# Altium PCB Mach dieu khien dong co dc.PcbDoc
Units mm, origin at the board's own origin, x right, y up, seen from the top; angles counter-clockwise.
Board outline 120.32 x 93.55 mm, 2 copper layers (Top Layer, Bottom Layer); 69 components, 51 nets, 218 pads, 6 vias.
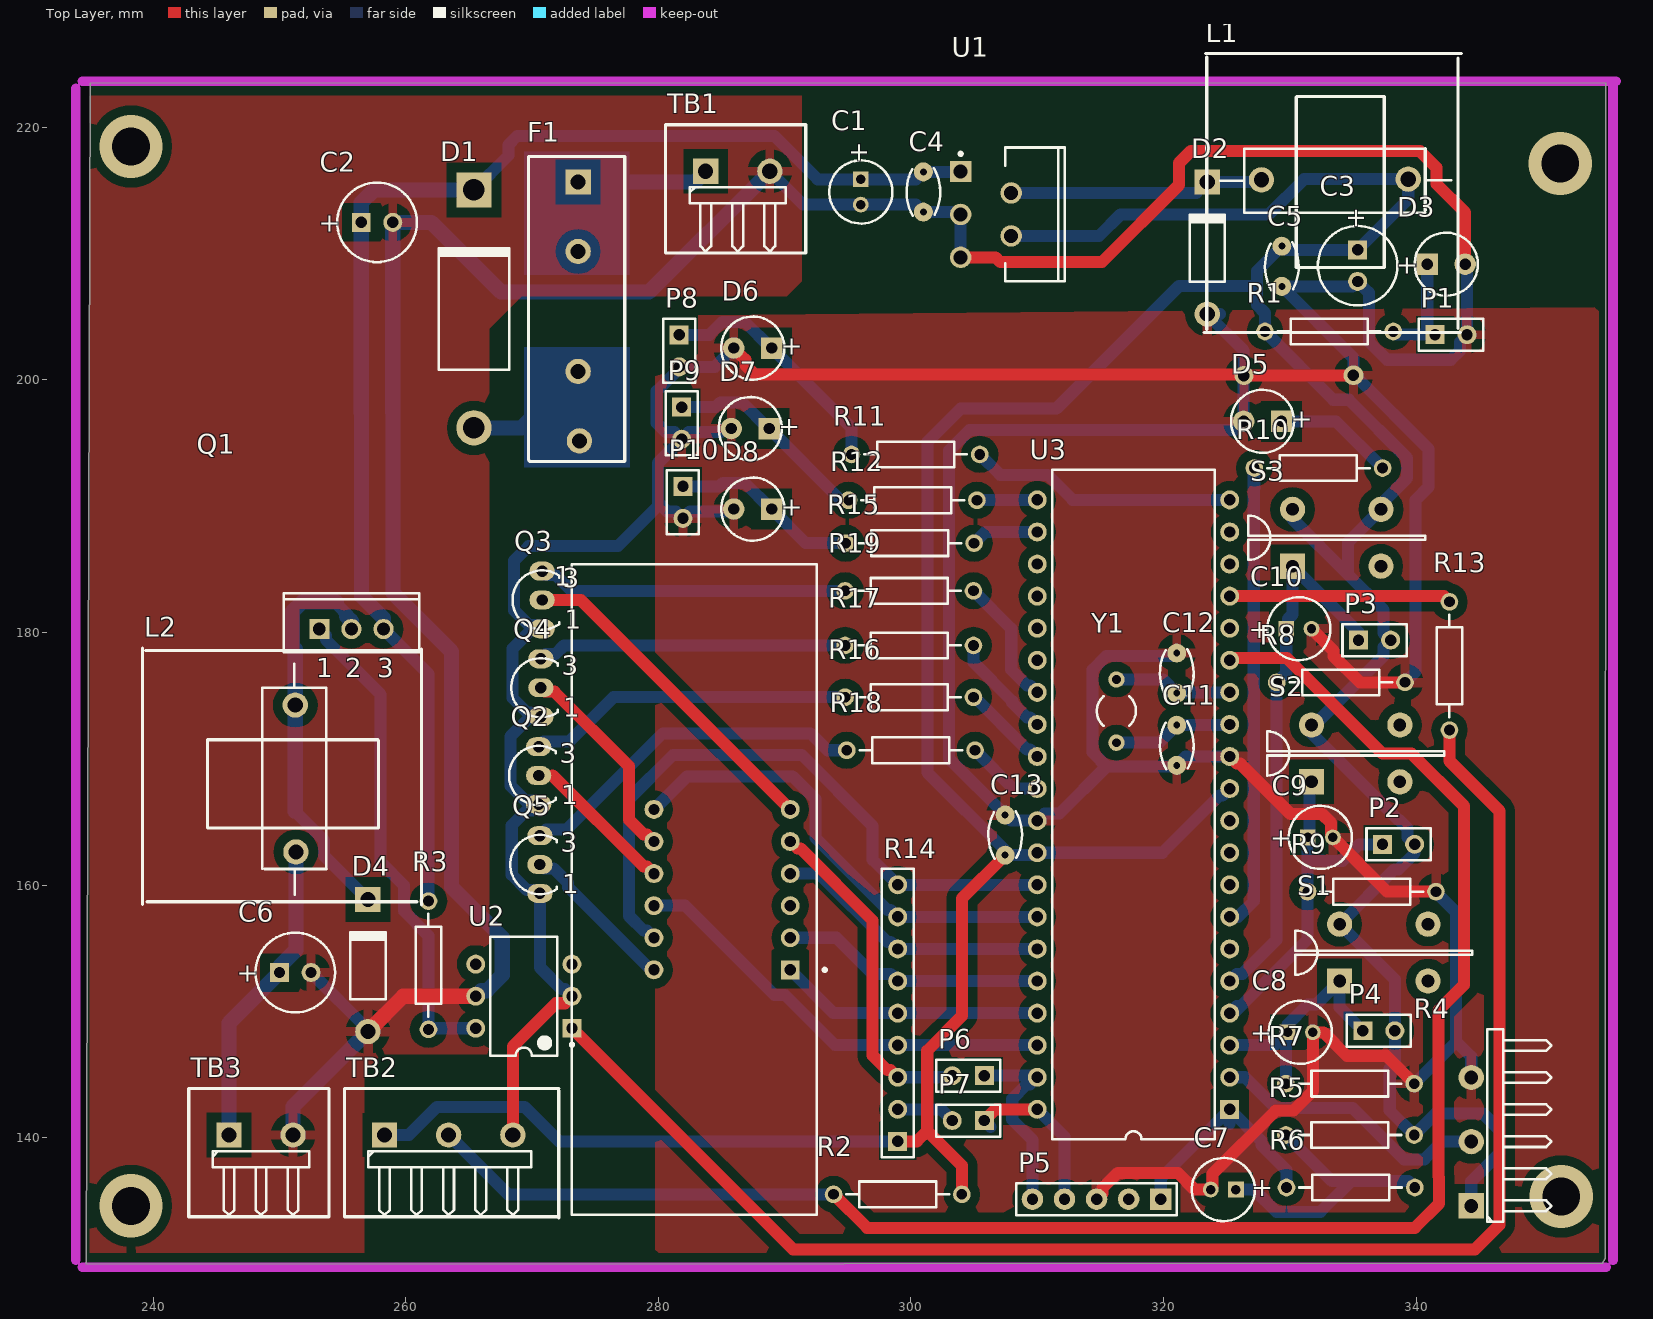
[diagram p0: Top Layer view]
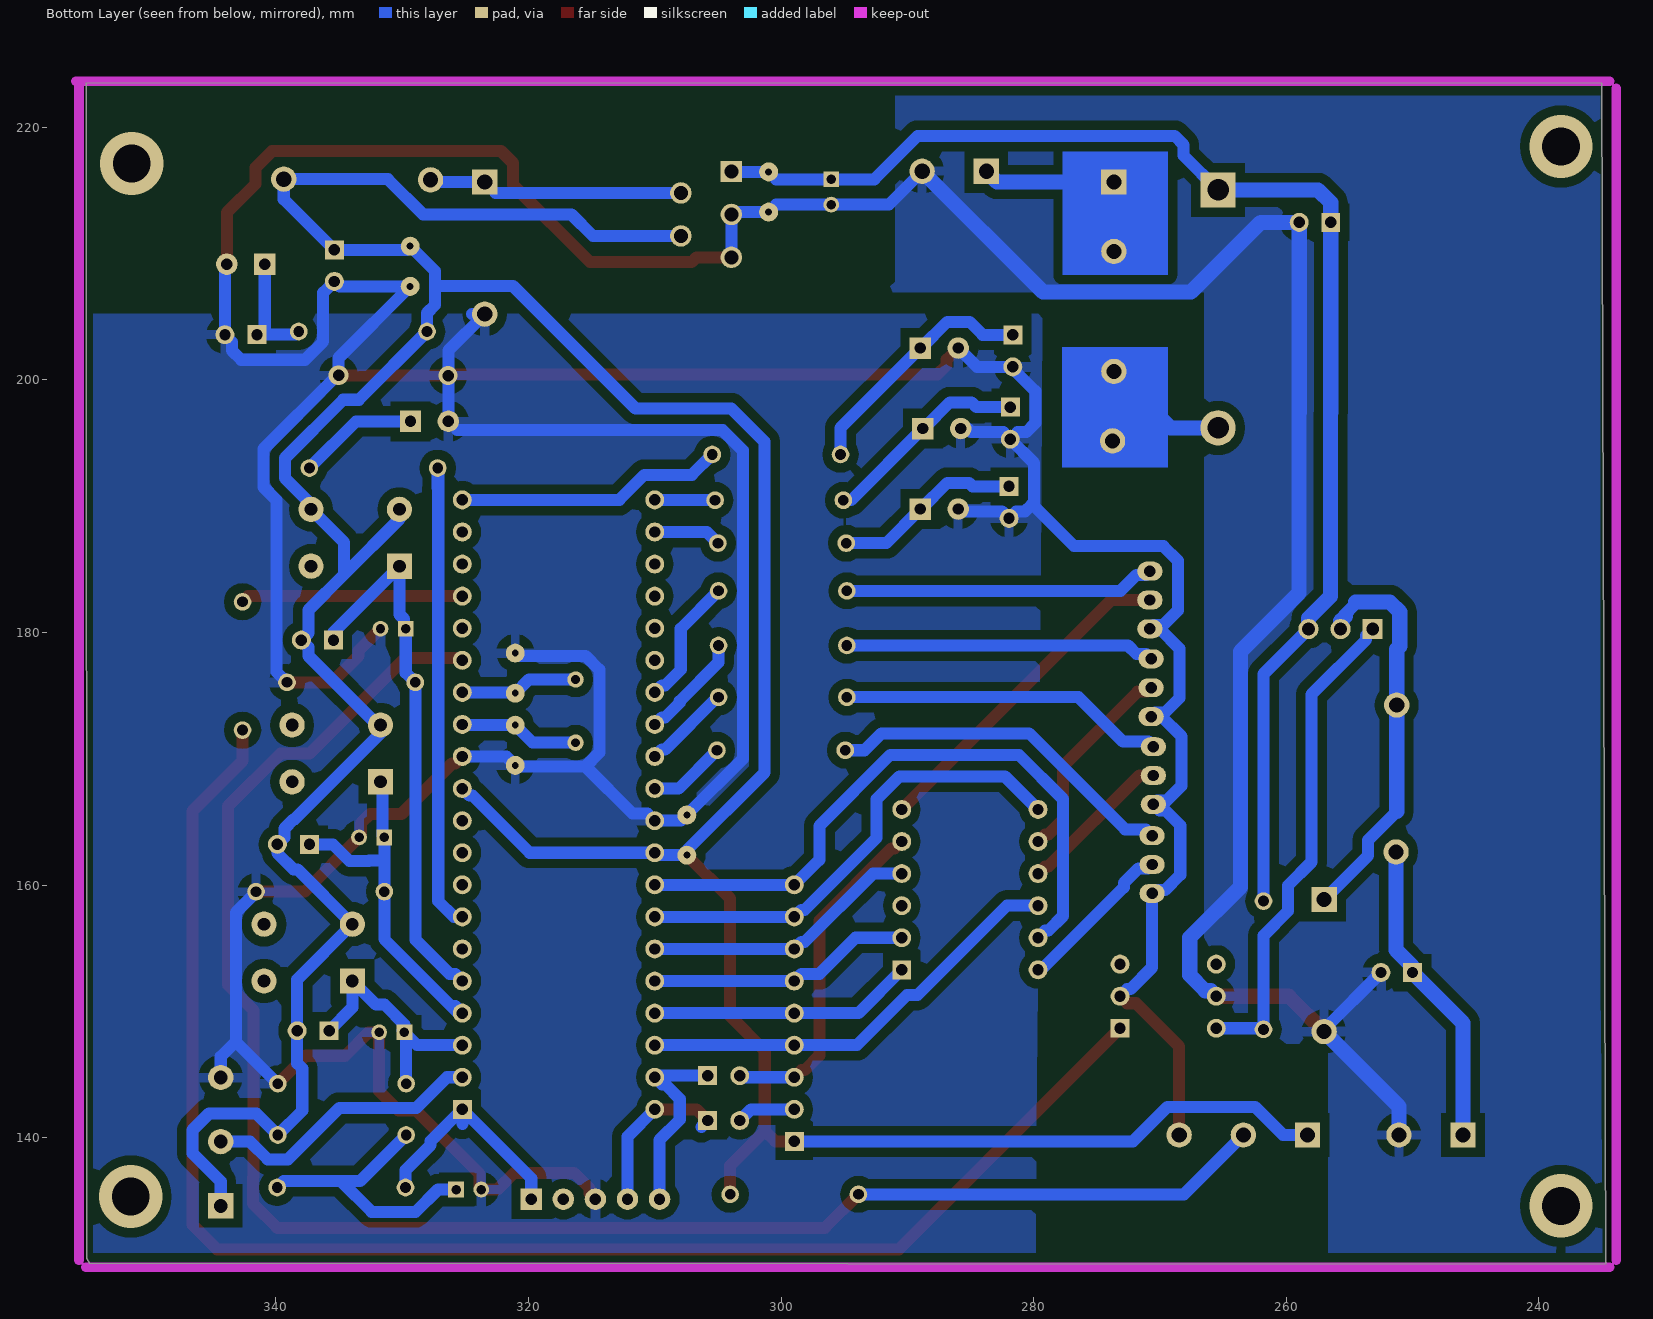
[diagram p1: Bottom Layer view, seen from below]

## Layer stack, top to bottom
Top Layer: signal copper 0.0356
Dielectric: dielectric 0.32, FR-4, Dk 4.8
Bottom Layer: signal copper 0.0356

## Board outline
235.025,223.475 234.7,129.975 354.75,130.05 354.975,130.425 355.025,223.525

## Design rules (kind name [scope] priority, off if disabled: settings)
Clearance [All] p1: gap=0.754
DiffPairsRouting [All] p1: maxlimit=0.954 minlimit=0.74 mostfreqgap=0.854 maxuncoupledlength=12.7
PlaneConnect [All] p1: planeconnectstyle=Relief reliefexpansion=1 reliefentries=4 reliefconductorwidth=0.74 reliefairgap=0.254
PolygonConnect [All] p1: connectstyle=Relief reliefconductorwidth=0.74 reliefentries=4 polygonreliefangle="90 Angle"
RoutingVias [All] p1: holewidth=0.911 width=1.5 viastyle="Through Hole" minholewidth=0.911 minwidth=1.5 maxholewidth=0.911 maxwidth=1.5
SilkscreenOverComponentPads [All] p1: minsilkscreentomaskgap=0.254
SolderMaskExpansion [All] p1: expansion=0.102
Width [All] p1: maxlimit=1.2 minlimit=0.754 preferedwidth=1.2
25 further rules are at their usual default settings.

## Components (designator, comment, footprint, x,y, rotation, side; value= is the part's Value field where it differs from the comment)
1 "7seg 4digit" LEDDIP-12/QUAD 282.829,159.639 r90 top
C1 "Cap Pol1" CAPPR2-5x7 296.037,214.884 r270 top
C2 "Cap Pol1" CAPPR2.5-6.3x5/H.9 257.725,212.475 r0 top
C3 "Cap Pol1" CAPPR2.5-6.3x5/H.9 335.375,209.05 r270 top
C4 "Cap" CAPNTO3.18-4.83x2.67 300.99,214.884 r90 top
C5 "Cap" CAPNTO3.18-4.83x2.67 329.375,209 r90 top
C6 "Cap Pol1" CAPPR2.5-6.3x5/H.9 251.25,153.075 r0 top
C7 "Cap Pol1" CAPPR2-5x7 324.739,135.89 r180 top
C8 "Cap Pol1" CAPPR2-5x7 330.835,148.336 r0 top
C9 "Cap Pol1" CAPPR2-5x7 332.425,163.775 r0 top
C10 "Cap Pol1" CAPPR2-5x7 330.725,180.3 r0 top
C11 "Cap" CAPNTO3.18-4.83x2.67 321.056,171.069 r90 top
C12 "Cap" CAPNTO3.18-4.83x2.67 321.056,176.784 r270 top
C13 "Cap" CAPNTO3.18-4.83x2.67 307.467,163.957 r270 top
D1 "Diode Schotky" DO-201AD 265.4,205.625 r90 top
D2 "Diode Schotky" DO-41 323.469,210.439 r90 top
D3 "LED 5mm Blue" "LED 5mm Blue" 342.392,209.169 r0 top
D4 "Diode Schotky" DO-41 257,153.625 r90 top
D5 "LED 5mm Blue" "LED 5mm Blue" 327.85,196.725 r180 top
D6 "LED 5mm Blue" "LED 5mm Blue" 287.475,202.525 r180 top
D7 "LED 5mm Blue" "LED 5mm Blue" 287.275,196.15 r180 top
D8 "LED 5mm Blue" "LED 5mm Blue" 287.475,189.775 r180 top
F1 "Fuse Thermal" "PIN-W2/E2.8 -Manh" 273.65,209.675 r270 top
L1 "Inductor Iron" "Inductor power" 334.01,215.773 r0 top
L2 "Inductor Iron" "Inductor power" 251.175,168 r270 top
P1 "Header 2" HDR1X2 341.503,203.581 r0 top
P2 "Header 2" HDR1X2 337.35,163.225 r0 top
P3 "Header 2" HDR1X2 335.45,179.4 r0 top
P4 "Header 2" HDR1X2 335.788,148.463 r0 top
P5 "Header 5" HDR1X5 319.786,135.128 r180 top
P6 "Header 2" HDR1X2 305.816,144.907 r180 top
P7 "Header 2" HDR1X2 305.816,141.351 r180 top
P8 "Header 2" HDR1X2 281.65,203.575 r270 top
P9 "Header 2" HDR1X2 281.85,197.85 r270 top
P10 "Header 2" HDR1X2 281.95,191.575 r270 top
Q1 "MOSFET-P" "TO 220" 255.7,180.275 r0 top
Q2 "C828" TO-92-manh 270.525,168.675 r0 top
Q3 "C828" TO-92-manh 270.8,182.575 r0 top
Q4 "C828" TO-92-manh 270.7,175.625 r0 top
Q5 "C828" TO-92-manh 270.625,161.625 r0 top
R1 "Res2" AXIAL-0.4 333.121,203.835 r0 top
R2 "Res2" AXIAL-0.4 298.958,135.509 r180 top
R3 "Res2" AXIAL-0.4 261.8,153.65 r90 top
R4 "RPot" "Variable Resistor" 344.375,134.6 r90 top
R5 "Res2" AXIAL-0.4 334.772,140.208 r180 top
R6 "Res2" AXIAL-0.4 334.825,136.05 r180 top
R7 "Res2" AXIAL-0.4 334.772,144.272 r180 top
R8 "Res2" AXIAL-0.4 334.05,176.05 r180 top
R9 "Res2" AXIAL-0.4 336.5,159.475 r180 top
R10 "Res2" AXIAL-0.4 332.275,193.025 r0 top
R11 "Res2" AXIAL-0.4 300.375,194.1 r0 top
R12 "Res2" AXIAL-0.4 300.15,190.475 r0 top
R13 "Res2" AXIAL-0.4 342.65,177.35 r90 top
R14 "Res 330" "Res array 8" 298.958,139.7 r90 top
R15 "Res2" AXIAL-0.4 299.925,187.075 r0 top
R16 "Res2" AXIAL-0.4 299.875,174.875 r180 top
R17 "Res2" AXIAL-0.4 299.875,178.975 r180 top
R18 "Res2" AXIAL-0.4 300,170.675 r180 top
R19 "Res2" AXIAL-0.4 299.875,183.3 r180 top
S1 "SW-PB" "Button DIP4" 333.95,152.4 r90 top
S2 "SW-PB" "Button DIP4" 331.725,168.175 r90 top
S3 "SW-PB" "Button DIP4" 330.225,185.25 r90 top
TB1 "Terminal Block 2pin" "Screw Terminal Block 2pin 5mm" 283.75,216.525 r0 top
TB2 "Terminal Block" "Screw Terminal Block 3pin 5mm" 258.318,140.208 r0 top
TB3 "Terminal Block 2pin" "Screw Terminal Block 2pin 5mm" 245.999,140.208 r0 top
U1 "LM2596T-5.0/NOPB" T05D 305.943,213.106 r270 top
U2 "Opto" "DIP-6 -v2" 269.35,151.2 r180 top
U3 "PIC16F877A-E/P" PDIP600-40 317.627,166.37 r90 top
Y1 "XTAL" R38 316.275,173.775 r180 top

## Footprints (in the part's own frame and the unit in brackets; to place one, negate y for a bottom-side part, rotate by r counter-clockwise, add the part's x,y. Pads: shape width x height; smd on the part's side, far side on the other; paste and mask are expansions set on the pad)
AXIAL-0.4 [mm] "Axial Device, Thru-Hole; 2 Leads; 0.4 in Pin Spacing"
  round 1.4 hole 0.85: 1(-5.08,0) 2(5.08,0)
  silkscreen extent -4.06,-1.02 4.06,1.02, body extent -6.77,-2.22 6.68,1.53, height 4.38
"Button DIP4" [mm]
  rect 2x2 hole 1: 1(0,0)
  round 2 hole 1: 2(4.5,0) 3(4.5,-7) 4(0,-7)
  silkscreen extent 0.5,-10.5 4,3.5, body extent -1.96,-5.75 6.01,0.25, height 4.9
CAPNTO3.18-4.83x2.67 [mm] "Capacitor, Radial, Tantalum, Non-Polarised; Body 4.83 x 2.67 x 5.97 mm (WxTxH max); Pin Spacing 3.18 mm (typ)"
  round 1.5 hole 0.55: 1(-1.59,0) 2(1.59,0)
  silkscreen extent -1.89,-1.34 1.89,1.34, body extent -2.46,-1 2.46,1, height 2
CAPPR2-5x7 [mm] "Capacitor, Electrolytic, Radial; Body 5 x 7 mm (Dia.xH typ); Pin Spacing 2 mm (typ)"
  rect 1.25x1.25 hole 0.75: 1(-1,0)
  round 1.25 hole 0.75: 2(1,0)
  silkscreen extent -2.5,-2.5 2.5,2.5, body extent -2.59,-2.54 2.49,2.54, height 13.7
CAPPR2.5-6.3x5/H.9 [mm] "Capacitor, Electrolytic, Radial; Body 6.3 x 5 mm (Dia.xH typ); Pin Spacing 2.5 mm (typ)"
  rect 1.5x1.5 hole 0.9: 1(-1.25,0)
  round 1.5 hole 0.9: 2(1.25,0)
  silkscreen extent -3.15,-3.15 3.15,3.15, body extent -2.59,-2.59 2.49,2.49, height 13.7
"DIP-6 -v2" [mm] "DIP; 6 Leads; Row Spacing 7.62 mm; Pitch 2.54 mm"
  rect 1.5x1.5 hole 0.9: 1(-3.81,2.54)
  round 1.5 hole 0.9: 2(-3.81,0) 3(3.81,0) 4(3.81,2.54) 5(-3.81,-2.54) 6(3.81,-2.54)
  silkscreen extent -3.94,-4.7 2.65,4.7, body extent -3.55,-4.7 3.55,4.7, height 5.46
DO-41 [mm] "Diode, Axial; Body 5.2 x 2.7 mm (LxDia. max), Lead Dia. 0.86 mm (max)"
  rect 2x2 hole 1.2: 1(5.23,0)
  round 2 hole 1.2: 2(-5.23,0)
  silkscreen extent -2.65,-1.4 2.75,1.4, body extent -5.38,-1.6 5.48,1.12, height 4.36
DO-201AD [mm] "Diode, Axial; Body 9.5 x 5.6 mm (LxDia. max), Lead Dia. 1.32 mm (max)"
  rect 2.8x2.8 hole 1.7: 1(9.42,0)
  round 2.8 hole 1.7: 2(-9.42,0)
  silkscreen extent -4.8,-2.8 4.9,2.8, body extent -8.13,-2.9 8.43,2.7, height 7.6
HDR1X2 [mm] "Connector; Header; 2 Position"
  rect 1.5x1.5 hole 0.9: 1(0,0)
  round 1.5 hole 0.9: 2(2.54,0)
  silkscreen extent -1.27,-1.27 3.81,1.27, body extent -1.19,-1.38 3.89,1.16, height 10.29
HDR1X5 [mm] "Connector; Header; 5 Position"
  rect 1.7x1.7 hole 0.9: 1(0,0)
  round 1.7 hole 0.9: 2(2.54,0) 3(5.08,0) 4(7.62,0) 5(10.16,0)
  silkscreen extent -1.27,-1.27 11.43,1.27
"Inductor power" [mm] "Axial Device, Thru-Hole; 2 Leads; 0.9 in Pin Spacing"
  round 2 hole 1.2: 1(-6.25,0.075) 2(5.375,0.125)
  silkscreen extent -10.78,-12.03 9.57,10.08, body extent -5.03,-9.35 4.97,9.15, height 19.25
"LED 5mm Blue" [mm] "Capacitor, Electrolytic, Radial; Body 5 x 7 mm (Dia.xH typ); Pin Spacing 2 mm (typ)"
  rect 1.7x1.7 hole 0.9: 1(-1.5,0)
  round 1.7 hole 0.9: 2(1.5,0)
  silkscreen extent -2.5,-2.5 2.5,2.5, body extent -2.71,-3.01 2.71,3.01, height 2.49
LEDDIP-12/QUAD [mm] "LED, 7-Segment Display, 14.22 mm, Four Digit, 88:88; 12 Leads; Row Space 15.24 mm; Pitch 2.54 mm"
  rect 1.5x1.5 hole 0.9: 1(-6.35,-7.62)
  round 1.5 hole 0.9: 2(-3.81,-7.62) 3(-1.27,-7.62) 4(1.27,-7.62) 5(3.81,-7.62) 6(6.35,-7.62) 7(6.35,3.175) 8(3.81,3.175) 9(1.27,3.175) 10(-1.27,3.175) 11(-3.81,3.175) 12(-6.35,3.175)
  silkscreen extent -25.75,-10.48 25.75,9.7
PDIP600-40 [mm] "DIP, Plastic; 40 Leads; Row Spacing 15.24 mm; Pitch 2.54 mm"
  rect 1.5x1.5 hole 0.9: 1(-24.13,-7.62)
  round 1.5 hole 0.9: 2(-21.59,-7.62) 3(-19.05,-7.62) 4(-16.51,-7.62) 5(-13.97,-7.62) 6(-11.43,-7.62) 7(-8.89,-7.62) 8(-6.35,-7.62) 9(-3.81,-7.62) 10(-1.27,-7.62) 11(1.27,-7.62) 12(3.81,-7.62) 13(6.35,-7.62) 14(8.89,-7.62) 15(11.43,-7.62) 16(13.97,-7.62) 17(16.51,-7.62) 18(19.05,-7.62) 19(21.59,-7.62) 20(24.13,-7.62) 21(24.13,7.62) 22(21.59,7.62) 23(19.05,7.62) 24(16.51,7.62) 25(13.97,7.62) 26(11.43,7.62) 27(8.89,7.62) 28(6.35,7.62) 29(3.81,7.62) 30(1.27,7.62) 31(-1.27,7.62) 32(-3.81,7.62) 33(-6.35,7.62) 34(-8.89,7.62) 35(-11.43,7.62) 36(-13.97,7.62) 37(-16.51,7.62) 38(-19.05,7.62) 39(-21.59,7.62) 40(-24.13,7.62)
  silkscreen extent -26.5,-6.45 26.5,6.45, body extent -26.22,-7.85 26.38,7.65, height 5.99
"PIN-W2/E2.8 -Manh" [mm]
  rect 2x2 hole 1.2: 1(-6,0)
  round 2 hole 1.2: 2(9,0) 3(-0.5,0) 4(14.5,0.1)
  Bottom Layer region: -8.425,-4.3 1.35,-4.3 1.35,4.05 -8.425,4.05
  Bottom Layer region: 7.075,-4.275 16.625,-4.275 16.625,4.1 7.075,4.1
  silkscreen extent -8.03,-3.93 16.12,3.7, body extent -6.66,-3.72 15.48,3.22, height 12.67
R38 [mm] "Crystal, Thru-Hole; 2 Leads; Body 3.1 x 8.2 mm (Dia.xH)"
  round 1.3 hole 0.7: 1(0,2.5) 2(0,-2.5)
  silkscreen extent -1.55,-1.19 1.55,1.17, body extent -2.4,-5.43 2.25,5.92, height 5.1
"Res array 8" [mm] "Connector; Header; 9 Position"
  rect 1.5x1.5 hole 0.9: 1(0,0)
  round 1.5 hole 0.9: 2(2.54,0) 3(5.08,0) 4(7.62,0) 5(10.16,0) 6(12.7,0) 7(15.24,0) 8(17.78,0) 9(20.32,0)
  silkscreen extent -1.27,-1.27 21.59,1.27, body extent -1.2,-1.23 21.61,1.27, height 6.43
"Screw Terminal Block 2pin 5mm" [mm] "Connector; Header; 10 Position; Right Angle"
  rect 2x2 hole 1.2: 1(0,0)
  round 2 hole 1.2: 2(5.08,0)
  silkscreen extent -3.17,-6.48 7.93,3.68, body extent -2.4,-6.1 7.6,2.9, height 15.7
"Screw Terminal Block 3pin 5mm" [mm] "Connector; Header; 10 Position; Right Angle"
  rect 2x2 hole 1.2: 1(0,0)
  round 2 hole 1.2: 2(5.08,0) 3(10.16,0)
  silkscreen extent -3.17,-6.55 13.8,3.68, body extent -1.95,-6.07 13.05,2.92, height 2.5
T05D [mm] "TO, Thru-Hole, Vertical, Heatsink Mounted; 5 Bent Staggered Leads; Body 10.3x8.6x4.6mm, Pitch 1.7 mm"
  rect 1.7x1.7 hole 1.1: 1(-3.4,-2)
  round 1.7 hole 1.1: 2(-1.7,2) 3(0,-2) 4(1.7,2) 5(3.4,-2)
  silkscreen extent -5.3,-2.12 5.3,6.23, body extent -11.7,-2.31 11.8,14.75, height 21.1
"TO 220" [mm] "TO, Thru-Hole, Vertical, Heatsink Mounted; 3 In-Line Leads; Pitch 2.54 mm"
  rect 1.6x1.6 hole 1: 1(-2.54,0)
  round 1.6 hole 1: 2(0,0) 3(2.54,0)
  silkscreen extent -5.35,-1.85 5.35,2.85, body extent -12.5,-1.9 11,13.1, height 21
TO-92-manh [mm] "TO, Flat Index; 3 In-Line, Axial Leads; Body Dia. 4.6mm; Leads 0.41 x 0.39 mm (max)"
  oval 2x1.5 hole 0.9: 1(0,-2.286) 2(0,0) 3(0,2.286)
  silkscreen extent -2.34,-2.34 1.35,2.34, body extent -2.36,-2.54 1.84,2.69, height 10
"Variable Resistor" [mm]
  rect 2x2 hole 1.1: 1(0,0)
  round 2 hole 1.1: 2(5.08,0) 3(10.16,0)
  silkscreen extent -1.27,-6.35 13.97,-1.27, body extent -2.79,-20.73 12.95,4.83, height 22.62

## Part data
1: "Header, 6-Pin, Dual row"
C1 C2 C3 C6 C7 C8 C9 C10: "Polarized Capacitor (Radial)"
C4 C5 C11 C12 C13: "Capacitor"
D1 D2 D4: "Schottky Rectifier"
D3 D5 D6 D7 D8: "Typical INFRARED GaAs LED"
F1: "Thermal Fuse"
L1 L2: "Magnetic-Core Inductor"
P1 P2 P3 P4 P6 P7 P8 P9 P10: "Header, 2-Pin"
P5: "Header, 5-Pin"
Q1: "P-Channel MOSFET"
Q2 Q3 Q4 Q5: "NPN General Purpose Amplifier"
R1 R2 R3 R5 R6 R7 R8 R9 R10 R11 R12 R13 R15 R16 R17 R18 R19: "Resistor"
R4: "Potentiometer"
R14: library part "Res array 8", "Header, 9-Pin"
S1 S2 S3: "Switch"
TB2: library part "Terminal Block 3pin", "Terminal Block 3pin"
U1: "SIMPLE SWITCHER® Power Converter 150 KHz 3A Step-Down Voltage Regulator, 5-pin TO-220, Pb-Free"
U2: library part "Opto 1"
U3: "Enhanced FLASH Microcontroller, 8K (x14-Bit words) FLASH, 368 Bytes RAM, 40-Pin PDIP, Standard VDD Range, Extended Temperature"
Y1: "Crystal Oscillator"

## Via types
v1: diameter 5, hole 3, Top Layer to Bottom Layer, 4 vias
v2: diameter 1.57, hole 0.911, Top Layer to Bottom Layer, 1 vias
v3: diameter 1.5, hole 0.91, Top Layer to Bottom Layer, 1 vias

## Nets (pads, with @x,y where several pads share a name; then routed paths per layer and width w, separated by ;. In a path a pad name is that pad's centre, name@x,y a point inside that pad or via, vN(x,y) a via of type N, cw(c..) or ccw(c..) an arc to the next point about the centre after c; other vN are vias at no path point)
COUNTER: R2.2 TB2.2 U3.15 | length 138.1
  Top Layer w0.954: R2.2 296.537,132.85 339.9,132.85 341.836,134.786 341.836,136.85 341.775,136.911 341.775,139.4 341.783,139.408 341.783,141.008 341.775,141.016 341.775,143.464 341.783,143.472 341.783,145.072 341.775,145.08 341.775,150.07 343.8,152.095 343.8,166.255 339.649,170.406 337.345,170.406 329.77,177.981 325.428,177.981 U3.15
  Bottom Layer w0.954: TB2.2 268.097,135.509 R2.2
GND: C1.2 C2.2 C3.2 C4.1 C5.1 C6.2 C7.2 C8.2 C9.2 C10.2 C11.1 C12.1 C13.1 D2.2 D3.2 D4.2 D5.2 D6.2 D7.2 D8.2 P1.2 P5.3 P8.2 P9.2 P10.2 Q2.1 Q3.1 Q4.1 Q5.1 R4.3 R7.1 R8.1 R9.1 TB1.2 TB2.3 TB3.2 U1.3 U1.5 U2.2 U2.3 U3.12 U3.31 | length 596.4
  Top Layer w0.954: TB2.3 268.478,147.219 271.9,150.641 272.601,150.641 U2.2 ; D6.2 286.894,201.606 286.894,201.165 287.615,200.444 v3@326.281,200.444 ; U1.5 306.7,209.706 307.081,209.325 315.125,209.325 321.238,215.438 321.238,217.179 322.188,218.129 340.309,218.129 341.616,216.822 341.616,215.534 343.892,213.258 D3.2 ; P5.3 315.165,135.587 315.165,135.99 316.384,137.209 321.146,137.209 322.465,135.89 C7.2 323.883,136.034 323.883,137.13 328.892,142.139 330.29,142.139 331.835,143.684 C8.2 332.674,148.336 334.528,146.482 337.642,146.482 R7.1 ; U3.12 325.806,169.621 326.068,169.621 330.058,165.631 332.56,165.631 333.281,164.91 C9.2@333.281,163.919 ; v3(326.375,200.35) v2@335.025,200.35 ; C10.2 333.469,178.556 333.469,178.14 335.559,176.05 R8.1 ; C9.2 337.725,159.475 R9.1
  Top Layer w1.2: D4.2 259.805,151.2 U2.3
  Bottom Layer w0.954: C6.2 D4.2@257,148.575 ; Q2.1@270.22,166.694 269.454,166.694 268.294,167.854 268.294,171.782 269.851,173.339 Q4.1 ; Q5.1@270.352,159.612 269.586,159.612 268.394,160.804 268.394,164.732 269.554,165.892 270.028,165.892 Q2.1 ; Q4.1@270.395,173.644 269.629,173.644 268.469,174.804 268.469,178.732 270.026,180.289 Q3.1 ; Q3.1@270.495,180.594 269.729,180.594 268.569,181.754 268.569,185.682 269.729,186.842 276.792,186.842 280.117,190.167 ; Q5.1 270.625,153.473 272.339,151.759 272.601,151.759 ; 281.291,195.869 280.59,195.869 279.869,196.59 279.869,199.11 281.65,200.891 P8.2 284.485,201.035 D6.2 ; D7.2 285.247,196.15 284.966,195.869 282.409,195.869 P9.2 279.969,193.429 279.969,190.315 280.117,190.167 ; D8.2 285.794,189.594 282.509,189.594 P10.2 281.391,189.594 280.69,189.594 280.117,190.167 ; TB1.2 291.471,213.884 C1.2 300.4,213.884 ; C4.1 U1.3@303.755,213.294 ; U1.5 U1.3 ; C13.1 307.467,165.557 303.024,170 303.024,194.4 304.655,196.031 325.656,196.031 ; C13.1@307.914,165.1 U3.31 ; 310.566,165.659 311.761,165.659 315.496,169.394 ; C11.1@320.971,169.394 315.496,169.394 ; C11.1 321.757,170.18 U3.12 ; C12.1 320.838,178.156 315.496,178.156 314.394,177.054 314.394,170.496 315.496,169.394 ; 324.482,205.209 D2.2 326.35,202.328 D5.2 ; v2@334.984,200.141 335.385,200.141 340.994,194.532 340.994,191.518 339.971,190.495 339.971,176.891 R8.1 ; C3.2@334.985,207.41 C5.1 335.05,201.735 v2(335.05,200.375) ; C3.2 336.27,206.905 336.27,203.035 337.705,201.6 342.763,201.6 343.484,202.321 343.484,203.022 ; R7.1 343.181,147.601 ; R9.1 341.58,159.425 343.181,157.824 343.181,147.601 ; P1.2 D3.2@344.043,209.018 ; R4.3 344.375,146.407 343.181,147.601
  Bottom Layer w1.2: TB3.2 251.079,142.474 D4.2 D4.2@257,148.575 ; 258.975,197.4 C2.2 262.025,212.475 267.529,206.971 279.276,206.971 TB1.2 ; 259,197.375 259,183.129 263.631,178.498 263.631,159.857 267.644,155.844 267.644,152.868 266.412,151.636 265.976,151.636 U2.3
Net1_1: 1.1 R14.5 U3.37 | length 21
  Bottom Layer w0.954: 1.1 293.878,149.86 R14.5 U3.37
Net1_2: 1.2 R14.6 U3.36 | length 21
  Bottom Layer w0.954: 1.2 294.107,155.829 296.977,152.959 298.399,152.959 R14.6 U3.36
Net1_4: 1.4 R14.7 U3.35 | length 22
  Bottom Layer w0.954: 1.4 292.727,160.909 298.137,155.499 298.399,155.499 R14.7 U3.35
Net1_5: 1.5 P6.2 R14.3 | length 26.1
  Top Layer w0.954: 291.008,162.89 291.27,162.89 296.977,157.183 296.977,146.499 298.137,145.339 298.399,145.339 R14.3
  Bottom Layer w0.954: R14.3 303.149,144.78 P6.2
Net1_6: 1.6 Q3.2 | length 26.5
  Top Layer w0.954: Q3.2 273.863,182.575 1.6
Net1_7: 1.7 R14.8 U3.34 | length 37.8
  Bottom Layer w0.954: 1.7 282.265,168.6 290.64,168.6 292.43,166.81 292.43,163.746 298.137,158.039 298.399,158.039 R14.8 U3.34
Net1_8: 1.8 Q4.2 | length 16.1
  Top Layer w0.954: Q4.2@271.005,175.32 271.771,175.32 277.673,169.418 277.673,165.168 278.833,164.008 279.095,164.008 1.8
Net1_9: 1.9 Q2.2 | length 11.2
  Top Layer w0.954: 271.626,168.675 278.833,161.468 279.095,161.468 1.9
Net1_10: 1.10 R14.4 U3.38 | length 34.9
  Bottom Layer w0.954: 1.10 282.128,158.369 289.189,151.308 290.015,151.308 294.003,147.32 R14.4 U3.38
Net1_11: 1.11 R14.9 U3.33 | length 50.8
  Bottom Layer w0.954: 279.095,156.388 278.833,156.388 277.673,157.548 277.673,166.81 281.171,170.308 291.347,170.308 296.973,164.682 296.973,162.005 R14.9 U3.33
Net1_12: 1.12 Q5.2 | length 12.4
  Bottom Layer w0.954: Q5.2 270.93,161.32 271.696,161.32 272.856,160.16 272.856,159.825 1.12@279.392,153.289
NetC6_1: C6.1 L2.2 TB3.1 | length 24.6
  Bottom Layer w1.2: TB3.1 245.999,149.074 C6.1 250,153.551 251.3,154.851 L2.2
NetC7_1: C7.1 R5.2 R6.1 | length 22.1
  Bottom Layer w0.954: C7.1 327.174,135.89 328.945,134.119 332.425,134.119 334.875,136.569 ; R5.2 333.331,136.569 334.875,136.569 ; 339.386,136.569 334.875,136.569
NetC8_1: C8.1 P4.1 R7.2 S1.1 U3.3 | length 19.2
  Bottom Layer w0.954: U3.3 328.819,147.32 329.692,148.193 R7.2 ; C8.1 C8.1@329.979,148.48 ; C8.1@329.835,148.961 331.4,150.526 332.076,150.526 S1.1 333.95,150.301 P4.1
NetC9_1: C9.1 P2.1 R9.2 S2.1 U3.4 | length 28.5
  Bottom Layer w0.954: 326.068,150.419 325.806,150.419 U3.4 325.566,149.86 331.42,155.714 R9.2 ; R9.2@331.425,159.48 331.425,161.95 ; C9.1 331.425,161.95 ; C9.1@331.569,163.919 331.569,168.019 S2.1 ; P2.1 335.5,163.225 334.194,161.919 332.656,161.919 332.625,161.95 331.425,161.95
NetC10_1: C10.1 P3.1 R8.2 S3.1 U3.5 | length 42.5
  Bottom Layer w0.954: U3.5 325.806,152.959 326.249,152.959 328.936,155.646 328.936,174.4 ; 328.97,174.434 R8.2 329.725,176.805 C10.1 329.869,180.444 329.869,181.069 330.225,181.425 S3.1 P3.1@335.45,180.025
NetC11_2: C11.2 U3.13 Y1.1 | length 9.6
  Bottom Layer w0.954: Y1.1 319.672,171.275 C11.2 325.186,172.659 U3.13
NetC12_2: C12.2 U3.14 Y1.2 | length 9.4
  Bottom Layer w0.954: Y1.2 319.975,176.275 C12.2 ; C12.2@321.122,175.26 U3.14
NetD1_2: D1.2 F1.2 | length 10.1
  Bottom Layer w1.2: D1.2 269.18,196.205 F1.2
NetD2_1: D2.1 L1.1 U1.2 | length 18.8
  Bottom Layer w0.954: U1.2 D2.1@322.606,214.806 ; D2.1 L1.1@327.581,215.669
NetD3_1: D3.1 P1.1 R1.2 | length 8.4
  Bottom Layer w0.954: R1.2 338.455,203.581 P1.1 ; P1.1@340.892,204.192 D3.1
NetD4_1: D4.1 L2.1 Q1.2 | length 43.7
  Bottom Layer w0.954: L2.1@251.129,174.371 251.129,178.791 251.129,181.585 251.85,182.306 254.47,182.306 255.472,181.304 255.472,181.13 255.472,180.503 Q1.2 ; 251.25,165.83 253.531,163.549 253.531,162.324 D4.1
  Bottom Layer w1.2: 251.25,165.83 L2.1 251.25,178.67 251.129,178.791 251.006,178.914 251.006,181.636 251.799,182.429 254.521,182.429 ; 255.314,181.288 255.472,181.13 255.7,180.902 Q1.2
NetD5_1: D5.1 R10.2 | length 9.5
  Bottom Layer w0.954: D5.1 333.655,196.725 R10.2
NetD6_1: D6.1 P8.1 R11.1 | length 19.7
  Bottom Layer w0.954: P8.1 284.038,203.575 285.069,204.606 286.837,204.606 288.918,202.525 D6.1 295.295,196.205 R11.1
NetD7_1: D7.1 P9.1 R12.1 | length 16.6
  Bottom Layer w0.954: P9.1 284.532,197.85 284.913,198.231 286.637,198.231 288.718,196.15 D7.1 294.45,190.475 R12.1
NetD8_1: D8.1 P10.1 R15.1 | length 15
  Bottom Layer w0.954: P10.1 284.832,191.575 285.113,191.856 286.837,191.856 288.918,189.775 D8.1 291.675,187.075 R15.1
NetF1_1: F1.1 TB1.1 | length 10.5
  Bottom Layer w1.2: F1.1 282.9,215.675 TB1.1
NetP5_1: P5.1 R6.2 U3.1 | length 18.6
  Bottom Layer w0.954: P5.1 319.786,136.779 U3.1 ; 325.247,141.097 U3.1 ; R6.2 329.745,137.424 327.761,139.408 327.761,139.726 U3.1
NetP7_2: P7.2 R14.2 | length 4.7
  Bottom Layer w0.954: R14.2 302.387,142.24 P7.2
NetQ1_1: Q1.1 R3.1 U2.4 | length 38.2
  Bottom Layer w0.954: Q1.1@253.669,179.766 253.669,179.434 258,175.103 258,161.825 259.869,159.956 259.869,157.93 261.8,155.999 R3.1 ; R3.1@261.89,148.66 U2.4
NetQ2_3: Q2.3 R16.2 | length 25.3
  Bottom Layer w0.954: Q2.3@270.922,171.358 272.931,171.358 276.448,174.875 R16.2
NetQ3_3: Q3.3 R19.2 | length 24.2
  Bottom Layer w0.954: Q3.3@271.105,184.556 271.871,184.556 273.127,183.3 R19.2
NetQ4_3: Q4.3 R17.2 | length 24
  Bottom Layer w0.954: Q4.3@271.097,178.308 271.871,178.308 272.538,178.975 R17.2
NetQ5_3: Q5.3 R18.2 | length 27.5
  Bottom Layer w0.954: Q5.3@271.122,164.408 272.756,164.408 280.364,172.016 292.055,172.016 293.396,170.675 R18.2
NetR4_2: R4.2 U3.2 | length 22.4
  Bottom Layer w0.954: U3.2 326.453,144.78 328.892,142.341 334.988,142.341 339.052,138.277 340.652,138.277 342.055,139.68 R4.2
NetR10_1: R10.1 U3.7 | length 38
  Bottom Layer w0.954: U3.7 325.908,157.48 327.153,158.725 R10.1@327.153,192.699 ; 327.195,191.457 R10.1
NetR11_2: R11.2 U3.20 | length 21.3
  Bottom Layer w0.954: R11.2 307.074,192.481 310.828,192.481 312.809,190.5 U3.20
NetR12_2: R12.2 U3.21 | length 4.8
  Bottom Layer w0.954: R12.2@305.255,190.5 U3.21
NetR13_2: R13.2 U3.17 | length 17
  Top Layer w0.954: U3.17 R13.2@342.2,182.88
NetR15_2: R15.2 U3.22 | length 5.4
  Bottom Layer w0.954: R15.2 305.89,187.96 U3.22
PGC: P5.5 P6.1 U3.39 | length 14.6
  Bottom Layer w0.954: P6.1 U3.39@309.88,144.907 ; 309.448,144.221 309.186,144.221 308.026,143.061 308.026,141.419 309.626,139.819 P5.5
PGD: P5.4 P7.1 U3.40 | length 13.3
  Top Layer w0.954: P7.1 306.705,142.24 U3.40
  Bottom Layer w0.954: P7.1 P7.1@306.318,140.849 ; U3.40 312.166,140.081 P5.4
PWM: R13.1 U2.1 | length 122.3
  Top Layer w0.954: U2.1 290.678,131.142 344.658,131.142 346.606,133.09 346.606,165.865 342.65,169.821 R13.1
RD4: R19.1 U3.27 | length 10.3
  Bottom Layer w0.954: R19.1 307.95,180.305 307.95,177.055 309.186,175.819 309.448,175.819 U3.27
RD5: R17.1 U3.28 | length 8.5
  Bottom Layer w0.954: R17.1 304.955,177.635 308.026,174.564 308.026,174.439 309.186,173.279 309.448,173.279 U3.28
RD6: R16.1 U3.29 | length 6.9
  Bottom Layer w0.954: R16.1@305.05,174.875 309.186,170.739 309.448,170.739 U3.29
RD7: R18.1 U3.30 | length 6.2
  Bottom Layer w0.954: R18.1 308.115,167.64 U3.30
VCC: C3.1 C5.2 C13.2 L1.2 P2.2 P3.2 P4.2 R1.1 R2.1 R4.1 R5.1 R14.1 S1.2 S2.2 S3.2 TB2.1 U1.4 U3.11 U3.32 | length 321
  Top Layer w0.954: R14.1 300.465,139.7 301.295,140.53 ; R2.1 304.038,137.787 301.295,140.53 ; C13.2 304.038,158.938 304.038,149.631 301.295,146.888 301.295,140.53
  Bottom Layer w0.954: TB2.1 260.243,140.208 262.474,142.439 269.402,142.439 272.141,139.7 R14.1 ; U1.4@307.945,211.404 U1.4 314.906,211.406 316.598,213.098 328.348,213.098 331.148,215.898 L1.2 339.385,214.31 C3.1 C5.2@329.665,210.3 ; U3.32@309.814,162.367 C13.2 307.467,162.745 301.316,168.896 301.316,195.107 303.948,197.739 311.537,197.739 321.238,207.44 327.134,207.44 ; U3.32 319.905,162.56 324.426,167.081 324.688,167.081 U3.11 ; C5.2 327.394,208.609 327.394,205.942 328.041,205.295 R1.1 333.443,198.433 334.678,198.433 339.286,193.825 339.286,192.225 337.225,190.164 337.225,189.75 334.608,187.133 334.608,184.608 ; S3.2 330.225,188.991 334.608,184.608 ; S2.2 331.725,172.02 338.539,165.206 338.61,165.206 339.331,164.485 339.331,163.784 ; S2.2@331.966,172.675 337.431,178.14 337.431,178.841 P3.2 337.431,179.959 337.431,181.785 334.608,184.608 ; P2.2 339.89,162.524 338.61,161.244 338.294,161.244 S1.2 338.328,152.522 P4.2 338.328,145.886 337.921,145.479 337.921,142.139 R5.1 ; R5.1@340.075,140.208 R5.1 ; R4.1 344.375,136.525 346.606,138.756 346.606,140.604 345.299,141.911 341.555,141.911 R5.1
VCC2: C1.1 C2.1 C4.2 D1.1 Q1.3 R3.2 U1.1 | length 108.4
  Bottom Layer w0.954: Q1.3 261.8,176.715 R3.2 ; D1.1 268.119,217.764 268.119,218.61 268.84,219.331 289.179,219.331 292.626,215.884 C1.1 300.4,215.884 ; C4.2 U1.1@303.911,216.474
  Bottom Layer w1.2: 256.475,197.4 C2.1 256.475,214.045 257.475,215.045 D1.1 ; 256.5,197.375 256.5,182.865 258.24,181.125 Q1.3
pads on no net: 1.3 F1.3 F1.4 P5.2 S1.3 S1.4 S2.3 S2.4 S3.3 S3.4 U2.5 U2.6 U3.6 U3.8 U3.9 U3.10 U3.16 U3.18 U3.19 U3.23 U3.24 U3.25 U3.26
copper on no net:
  other v1: 238.25,134.6 351.5,135.325 351.425,217.15 238.25,218.5

## Polygon pours and split planes (outlines as drawn)
GND on Bottom Layer "Top Layer-GND" (solid, pour order 9): 264.825,223.07 265.093,223.325 290.978,223.325 290.978,207.765 291.675,207.103 291.514,206.95 265.656,206.95
GND on Bottom Layer "Top Layer-GND" (solid, pour order 7): 235.102,150.066 256.64,150.066 256.758,150.145 256.659,150.079 256.659,130.477 235.951,130.477 234.975,129.825
GND on Bottom Layer "Top Layer-GND" (solid, pour order 5): 235.393,223.3 235.15,223.12 235.15,147.425 265.795,147.425 266.975,148.3 266.489,148.66 266.489,223.3
GND on Bottom Layer "Top Layer-GND" (solid, pour order 2): 279.3,205.225 355.045,205.225 355.197,205.375 355.35,205.225 355.35,130.175 280.139,130.175 279.859,129.9
GND on Top Layer "Top Layer-GND" (solid, pour order 13): 234.475,222.85 235.175,223.55 291.375,223.55 291.375,207.825 290.7,207.15 290.175,206.625 271.25,206.625 269.2,206.625 266.75,204.175 266.625,204.05 266.625,146.6 258.125,146.6 256.725,145.2 256.725,130.3 235.175,130.3 234.9,130.025
GND on Top Layer "Top Layer-GND" (solid, pour order 11): 279.775,205.1 279.775,131.125 280.225,130.675 280.7,130.2 355.35,130.2 355.35,204.85 354.425,205.775

## Keep-outs
Keep-Out Layer:
  lines w0.254: 233.85,130.275 234.4,129.725 ; 234.125,223.375 234.4,223.65 ; 355.05,129.725 355.6,130.275 ; 355.325,223.375 355.6,223.65
  lines w0.754: 233.85,130.275 233.85,223.1 ; 234.4,129.725 355.05,129.725 ; 234.4,223.65 355.875,223.65 ; 355.6,130.275 355.6,223.65

## Silkscreen, mask and mechanical layers (free items; w line width, h text height)
Bottom Solder:
  lines w0.254: 245.875,140.55 245.875,149.125 ; 251.2,174.5 251.2,181.75 251.725,182.275 254.525,182.275 ; 251.25,154.5 251.25,162.725 ; 255.5,180.35 255.5,181.3 ; 256.45,212.225 256.45,182.725 257.75,181.425 257.75,180.825 ; 265.4,215 265.4,215.075
  lines w0.54: 245.875,149.125 251.25,154.5 ; 254.525,182.275 255.5,181.3
  lines w0.754: 265.2,196.225 271.8,196.175 ; 275.675,216.5 283.925,216.5

## Text inside footprints (layer, text, board x,y; h text height)
C1: Top Overlay "+" at 295.287,218.859 h1.5 r270
C2: Top Overlay "+" at 253.1,211.725 h1.5
C3: Top Overlay "+" at 334.625,213.675 h1.5 r270
C6: Top Overlay "+" at 246.625,152.325 h1.5
C7: Top Overlay "+" at 328.714,136.64 h1.5 r180
C8: Top Overlay "+" at 326.86,147.586 h1.5
C9: Top Overlay "+" at 328.45,163.025 h1.5
C10: Top Overlay "+" at 326.75,179.55 h1.5
D3: Top Overlay "+" at 338.417,208.419 h1.5
D5: Top Overlay "+" at 331.825,197.475 h1.5 r180
D6: Top Overlay "+" at 291.45,203.275 h1.5 r180
D7: Top Overlay "+" at 291.25,196.9 h1.5 r180
D8: Top Overlay "+" at 291.45,190.525 h1.5 r180
Q1: Top Overlay "2" at 255.2,176.45 h1.5; Top Overlay "1" at 252.91,176.45 h1.5; Top Overlay "3" at 257.74,176.45 h1.5
Q2: Top Overlay "3" at 272.176,169.691 h1.5; Top Overlay "1" at 272.303,166.389 h1.5
Q3: Top Overlay "3" at 272.451,183.591 h1.5; Top Overlay "1" at 272.578,180.289 h1.5
Q4: Top Overlay "3" at 272.351,176.641 h1.5; Top Overlay "1" at 272.478,173.339 h1.5
Q5: Top Overlay "3" at 272.276,162.641 h1.5; Top Overlay "1" at 272.403,159.339 h1.5